# KiCad board AMLDC-2044B p3.kicad_pcb

No outline. copper layers: Top, Bottom. Coordinates in mm from the lowest, leftmost part position.

## Placement (name value [footprint] x y rotation side)
C1  CAP_Disc_Common_-_Entrex_Trapezoid  [Disc Capacitor Common Entrex Trapezoid]  105.97 333.58 90 top
C2  CAP_Disc_Common_-_Entrex_Trapezoid  [Disc Capacitor Common Entrex Trapezoid]  581.99 157.63 0 top
C3  CAP_Disc_Common_-_Entrex_Trapezoid  [Disc Capacitor Common Entrex Trapezoid]  581.99 153.58 0 top
C4  CAP_Disc_Common_-_Entrex_Trapezoid  [Disc Capacitor Common Entrex Trapezoid]  581.99 149.53 0 top
C5  CAP_Disc_Common_-_Entrex_Trapezoid  [Disc Capacitor Common Entrex Trapezoid]  345.97 358.05 180 top
C6  CAP  [CAP non-polarized P25.00mm]  123.88 457.52 0 top
C7  CAP_Disc_Common_-_Entrex_Trapezoid  [Disc Capacitor Common Entrex Trapezoid]  361.12 359.3 180 top
C8  CAP_Disc_Common_-_Entrex_Trapezoid  [Disc Capacitor Common Entrex Trapezoid]  426.64 125.98 180 top
C9  CAP_Disc_Common_-_Entrex_Trapezoid  [Disc Capacitor Common Entrex Trapezoid]  416.69 126.03 180 top
C10  CAP_Disc_Common_-_Entrex_Trapezoid  [Disc Capacitor Common Entrex Trapezoid]  120.61 93.25 0 top
C11  CAP_Disc_Common_-_Entrex_Trapezoid  [Disc Capacitor Common Entrex Trapezoid]  273.01 235.27 0 top
C12  CAP_Disc_Common_-_Entrex_Trapezoid  [Disc Capacitor Common Entrex Trapezoid]  266.37 268.36 0 top
C13  CAP_Disc_Common_-_Entrex_Trapezoid  [Disc Capacitor Common Entrex Trapezoid]  206.02 342.06 0 top
C14  CAP_Disc_Common_-_Entrex_Trapezoid  [Disc Capacitor Common Entrex Trapezoid]  223.27 347.28 90 top
C15  CAP_Disc_Common_-_Entrex_Trapezoid  [Disc Capacitor Common Entrex Trapezoid]  204.32 326.93 0 top
C16  CAP_Disc_Common_-_Entrex_Trapezoid  [Disc Capacitor Common Entrex Trapezoid]  167.47 359.25 0 top
C17  CAP_Disc_Common_-_Entrex_Trapezoid  [Disc Capacitor Common Entrex Trapezoid]  426.59 341.15 180 top
C18  CAP_Disc_Common_-_Entrex_Trapezoid  [Disc Capacitor Common Entrex Trapezoid]  269.1 60.21 180 top
C19  CAP_Disc_Common_-_Entrex_Trapezoid  [Disc Capacitor Common Entrex Trapezoid]  600.82 152.71 0 top
C20  CAP_Disc_Common_-_Entrex_Trapezoid  [Disc Capacitor Common Entrex Trapezoid]  600.82 148.66 0 top
C21  CAP_Disc_Common_-_Entrex_Trapezoid  [Disc Capacitor Common Entrex Trapezoid]  600.82 144.61 0 top
C22  CAP_Disc_Common_-_Entrex_Trapezoid  [Disc Capacitor Common Entrex Trapezoid]  600.82 140.56 0 top
C23  CAP_Disc_Common_-_Entrex_Trapezoid  [Disc Capacitor Common Entrex Trapezoid]  600.82 136.5 0 top
C24  CAP_Disc_Common_-_Entrex_Trapezoid  [Disc Capacitor Common Entrex Trapezoid]  311.04 309.48 180 top
C25  CAP_Disc_Common_-_Entrex_Trapezoid  [Disc Capacitor Common Entrex Trapezoid]  233.82 326.41 0 top
C26  CAP_Disc_Common_-_Entrex_Trapezoid  [Disc Capacitor Common Entrex Trapezoid]  232.67 287.46 0 top
C27  CAP_Disc_Common_-_Entrex_Trapezoid  [Disc Capacitor Common Entrex Trapezoid]  241.9 307.88 0 top
C28  CAP_Disc_Common_-_Entrex_Trapezoid  [Disc Capacitor Common Entrex Trapezoid]  178.22 332.56 0 top
C29  CAP_Disc_Common_-_Entrex_Trapezoid  [Disc Capacitor Common Entrex Trapezoid]  193.62 342.06 0 top
C30  CAP_Disc_Common_-_Entrex_Trapezoid  [Disc Capacitor Common Entrex Trapezoid]  207.97 359.11 0 top
C31  CAP_Disc_Common_-_Entrex_Trapezoid  [Disc Capacitor Common Entrex Trapezoid]  139.77 342.75 0 top
C32  CAP_Disc_Common_-_Entrex_Trapezoid  [Disc Capacitor Common Entrex Trapezoid]  230.18 37.56 180 top
C33  CAP_Disc_Common_-_Entrex_Trapezoid  [Disc Capacitor Common Entrex Trapezoid]  192.54 36.4 180 top
C34  CAP_Disc_Common_-_Entrex_Trapezoid  [Disc Capacitor Common Entrex Trapezoid]  149.7 37.67 180 top
C35  CAP_Disc_Common_-_Entrex_Trapezoid  [Disc Capacitor Common Entrex Trapezoid]  115.93 38.31 180 top
C36  CAP_Disc_Common_-_Entrex_Trapezoid  [Disc Capacitor Common Entrex Trapezoid]  387.47 74.12 180 top
C37  CAP_Disc_Common_-_Entrex_Trapezoid  [Disc Capacitor Common Entrex Trapezoid]  345.49 108.7 180 top
C38  CAP_Disc_Common_-_Entrex_Trapezoid  [Disc Capacitor Common Entrex Trapezoid]  387.62 109.05 180 top
C39  CAP_Disc_Common_-_Entrex_Trapezoid  [Disc Capacitor Common Entrex Trapezoid]  268.67 93.5 180 top
C40  CAP_Disc_Common_-_Entrex_Trapezoid  [Disc Capacitor Common Entrex Trapezoid]  304.99 322.48 180 top
C41  CAP_Disc_Common_-_Entrex_Trapezoid  [Disc Capacitor Common Entrex Trapezoid]  266.62 356.25 0 top
C42  CAP_Disc_Common_-_Entrex_Trapezoid  [Disc Capacitor Common Entrex Trapezoid]  275.02 341.81 0 top
C43  CAP_Disc_Common_-_Entrex_Trapezoid  [Disc Capacitor Common Entrex Trapezoid]  161.87 307.96 0 top
C44  CAP_Disc_Common_-_Entrex_Trapezoid  [Disc Capacitor Common Entrex Trapezoid]  191.07 310.5 0 top
C45  CAP_Disc_Common_-_Entrex_Trapezoid  [Disc Capacitor Common Entrex Trapezoid]  139.57 345.75 0 top
C46  CAP_Disc_Common_-_Entrex_Trapezoid  [Disc Capacitor Common Entrex Trapezoid]  149.17 344.16 0 top
C47  CAP_Disc_Common_-_Entrex_Trapezoid  [Disc Capacitor Common Entrex Trapezoid]  394.29 218.33 180 top
C48  CAP_Disc_Common_-_Entrex_Trapezoid  [Disc Capacitor Common Entrex Trapezoid]  375.15 214.33 270 top
C49  CAP_Disc_Common_-_Entrex_Trapezoid  [Disc Capacitor Common Entrex Trapezoid]  357.84 201.43 180 top
C50  CAP_Disc_Common_-_Entrex_Trapezoid  [Disc Capacitor Common Entrex Trapezoid]  349.34 216.73 180 top
C51  CAP_Disc_Common_-_Entrex_Trapezoid  [Disc Capacitor Common Entrex Trapezoid]  387.64 285.23 180 top
C52  CAP_Disc_Common_-_Entrex_Trapezoid  [Disc Capacitor Common Entrex Trapezoid]  344.49 324.48 180 top
C53  CAP_Disc_Common_-_Entrex_Trapezoid  [Disc Capacitor Common Entrex Trapezoid]  425.39 305.58 180 top
C54  CAP_Disc_Common_-_Entrex_Trapezoid  [Disc Capacitor Common Entrex Trapezoid]  418.24 169.43 180 top
C55  CAP_Disc_Common_-_Entrex_Trapezoid  [Disc Capacitor Common Entrex Trapezoid]  261.22 132.56 0 top
C56  CAP_Disc_Common_-_Entrex_Trapezoid  [Disc Capacitor Common Entrex Trapezoid]  266.03 250.73 0 top
C57  CAP_Disc_Common_-_Entrex_Trapezoid  [Disc Capacitor Common Entrex Trapezoid]  117.87 198.56 0 top
C58  CAP_Disc_Common_-_Entrex_Trapezoid  [Disc Capacitor Common Entrex Trapezoid]  128.37 310.36 0 top
C59  CAP_Disc_Common_-_Entrex_Trapezoid  [Disc Capacitor Common Entrex Trapezoid]  128.42 307.75 0 top
C60  CAP_Disc_Common_-_Entrex_Trapezoid  [Disc Capacitor Common Entrex Trapezoid]  128.42 292.75 0 top
C61  CAP_Disc_Common_-_Entrex_Trapezoid  [Disc Capacitor Common Entrex Trapezoid]  128.42 289.58 0 top
C62  CAP_Disc_Common_-_Entrex_Trapezoid  [Disc Capacitor Common Entrex Trapezoid]  154.27 255.81 0 top
C63  CAP_Disc_Common_-_Entrex_Trapezoid  [Disc Capacitor Common Entrex Trapezoid]  114.26 235.27 0 top
C64  CAP_Disc_Common_-_Entrex_Trapezoid  [Disc Capacitor Common Entrex Trapezoid]  126.82 198.56 0 top
C65  CAP_Disc_Common_-_Entrex_Trapezoid  [Disc Capacitor Common Entrex Trapezoid]  122.73 192.04 315 top
C66  CAP_Disc_Common_-_Entrex_Trapezoid  [Disc Capacitor Common Entrex Trapezoid]  156.22 190.64 135 top
C67  CAP_Disc_Common_-_Entrex_Trapezoid  [Disc Capacitor Common Entrex Trapezoid]  195.99 192.04 315 top
C68  CAP_Disc_Common_-_Entrex_Trapezoid  [Disc Capacitor Common Entrex Trapezoid]  235.58 194.39 135 top
C69  CAP_Disc_Common_-_Entrex_Trapezoid  [Disc Capacitor Common Entrex Trapezoid]  196.87 131.25 0 top
C70  CAP_Disc_Common_-_Entrex_Trapezoid  [Disc Capacitor Common Entrex Trapezoid]  230.12 131.06 0 top
C71  CAP_Disc_Common_-_Entrex_Trapezoid  [Disc Capacitor Common Entrex Trapezoid]  118.82 216.31 0 top
C72  CAP_Disc_Common_-_Entrex_Trapezoid  [Disc Capacitor Common Entrex Trapezoid]  127.97 216.36 0 top
CR1  1N4001  [D_DO-41_SOD81_P12.70mm_Horizontal]  111.83 348.29 0 top
CR2  1N4001  [Diode for Entrex-AMLDC Board]  401.83 235.84 270 top
CR3  1N4001  [Diode for Entrex-AMLDC Board]  181.8 339.79 180 top
CR4  1N4001  [Diode for Entrex-AMLDC Board]  215.43 334.17 90 top
CR5  1N4001  [Diode for Entrex-AMLDC Board]  92.18 340.87 90 top
J1  Port A  [portA_NovaMod]  0 268.56 0 top
J2  Port B  [portB_NovaMod]  3.28 79.71 0 top
JP1  Vipass Ammeter  [DG Nova Board Jumper 5mm]  125.28 256.75 270 top
JP2  Vipass Ammeter  [DG Nova Board Jumper 5mm]  122.78 256.8 270 top
JP3  Vipass Ammeter  [DG Nova Board Jumper 5mm]  120.28 256.75 270 top
JP4  Vipass Ammeter  [DG Nova Board Jumper 5mm]  117.78 256.75 270 top
JP5  Vipass Ammeter  [DG Nova Board Jumper 5mm]  115.28 256.75 270 top
JP6  Vipass Ammeter  [DG Nova Board Jumper 5mm]  112.78 256.8 270 top
JP7  Vipass Ammeter  [DG Nova Board Jumper 3.8mm]  136.94 120.69 0 top
JP8  Vipass Ammeter  [DG Nova Board Jumper 3.8mm]  136.99 118.09 0 top
Q1  PNP MPS6533  [TO-92]  418.83 130.54 135 top
R1  ~  [R_Axial_DIN0411_L9.9mm_D3.6mm_P12.70mm_Horizontal]  256.73 343.04 90 top
R2  ~  [Resistor for Entrex-AMLDC Board#2]  253.98 329.09 90 top
R3  R_US  [Resistor for Entrex-AMLDC Board]  175.86 263.21 90 top
R4  ~  [Resistor for Entrex-AMLDC Board]  96.48 209.62 0 top
R5  R_US  [Resistor for Entrex-AMLDC Board]  172.05 256.23 90 top
R6  R_US  [Resistor for Entrex-AMLDC Board]  142.63 237.64 90 top
R7  R_US  [Resistor for Entrex-AMLDC Board]  130.38 237.69 90 top
R8  R_US  [Resistor for Entrex-AMLDC Board]  142.38 271.99 0 top
R9  R_US  [Resistor for Entrex-AMLDC Board]  148.55 311.47 0 top
R10  R_US  [Resistor for Entrex-AMLDC Board]  129.56 331.74 0 top
R11  R_US  [Resistor for Entrex-AMLDC Board]  148.33 326.69 0 top
R12  R_US  [Resistor for Entrex-AMLDC Board]  171.83 324.69 0 top
R13  R_US  [Resistor for Entrex-AMLDC Board]  185.96 326.64 0 top
R14  R_US  [Resistor for Entrex-AMLDC Board]  169.63 313.99 0 top
R15  R_US  [Resistor for Entrex-AMLDC Board]  91.48 190.54 90 top
R16  R_US  [Resistor for Entrex-AMLDC Board]  93.93 186.79 90 top
R17  R_US  [Resistor for Entrex-AMLDC Board]  91.38 207.29 90 top
R18  R_US  [Resistor for Entrex-AMLDC Board]  100.13 344.37 90 top
R19  R_US  [Resistor for Entrex-AMLDC Board]  111.03 352.39 0 top
R20  R_US  [Resistor for Entrex-AMLDC Board]  416.6 141.64 0 top
R21  R_US  [Resistor for Entrex-AMLDC Board]  412.95 137.59 0 top
R22  R_US  [Resistor for Entrex-AMLDC Board]  434.08 108.54 90 top
R23  R_US  [Resistor for Entrex-AMLDC Board]  426.88 118.39 180 top
R24  R_US  [Resistor for Entrex-AMLDC Board]  412.83 114.89 0 top
R25  R_US  [Resistor for Entrex-AMLDC Board]  414.06 122.44 0 top
R26  R_US  [Resistor for Entrex-AMLDC Board]  596.78 116.74 0 top
R27  R_US  [Resistor for Entrex-AMLDC Board]  224.18 325.47 90 top
R28  R_US  [Resistor for Entrex-AMLDC Board]  98.65 15.08 180 top
R29  R_US  [Resistor for Entrex-AMLDC Board]  220.53 344.39 90 top
R30  R_US  [Resistor for Entrex-AMLDC Board]  217.83 344.74 90 top
R31  R_US  [Resistor for Entrex-AMLDC Board]  282.18 255.39 0 top
R32  R_US  [Resistor for Entrex-AMLDC Board]  104.74 283.53 90 top
R33  R_US  [Resistor for Entrex-AMLDC Board]  123.98 289.69 180 top
R34  R_US  [Resistor for Entrex-AMLDC Board]  86.23 198.19 90 top
R35  R_US  [Resistor for Entrex-AMLDC Board]  88.73 194.22 90 top
R36  R_US  [Resistor for Entrex-AMLDC Board]  88.78 210.99 90 top
R37  R_US  [Resistor for Entrex-AMLDC Board]  104.78 344.54 90 top
R38  R_US  [Resistor for Entrex-AMLDC Board]  129.68 348.59 0 top
R39  R_US  [Resistor for Entrex-AMLDC Board]  405.83 256.49 90 top
R40  R_US  [Resistor for Entrex-AMLDC Board]  379.33 201.29 180 top
R41  R_US  [Resistor for Entrex-AMLDC Board]  338.28 217.19 90 top
R42  R_US  [Resistor for Entrex-AMLDC Board]  402.68 197.41 90 top
R43  R_US  [Resistor for Entrex-AMLDC Board]  401.8 204.99 90 top
R44  R_US  [Resistor for Entrex-AMLDC Board]  293.73 309.29 90 top
R45  R_US  [Resistor for Entrex-AMLDC Board]  321.18 309.89 90 top
R46  R_US  [Resistor for Entrex-AMLDC Board]  620.82 116.81 0 top
R47  R_US  [Resistor for Entrex-AMLDC Board]  257.14 236.54 90 top
R48  R_US  [Resistor for Entrex-AMLDC Board]  249.52 241.62 90 top
R49  R_US  [Resistor for Entrex-AMLDC Board]  111.18 344.39 0 top
R50  R_US  [Resistor for Entrex-AMLDC Board]  183.58 328.22 90 top
R51  R_US  [Resistor for Entrex-AMLDC Board]  124.23 307.64 180 top
R53  R_US  [Resistor for Entrex-AMLDC Board]  123.98 292.87 180 top
R54  R_US  [Resistor for Entrex-AMLDC Board]  105.41 250.47 90 top
R55  R_US  [Resistor for Entrex-AMLDC Board]  105.48 223.62 90 top
R56  R_US  [Resistor for Entrex-AMLDC Board]  85.93 214.99 90 top
R57  R_US  [Resistor for Entrex-AMLDC Board]  96.41 202.39 0 top
R58  R_US  [Resistor for Entrex-AMLDC Board]  169.41 346.74 0 top
R59  R_US  [Resistor for Entrex-AMLDC Board]  209.39 55.72 0 top
R60  R_US  [Resistor for Entrex-AMLDC Board]  209.27 53.01 0 top
R61  R_US  [Resistor for Entrex-AMLDC Board]  209.26 50.4 0 top
R62  R_US  [Resistor for Entrex-AMLDC Board]  209.3 45.1 0 top
R63  R_US  [Resistor for Entrex-AMLDC Board]  209.28 40.03 0 top
R64  R_US  [Resistor for Entrex-AMLDC Board]  209.24 37.41 0 top
R65  R_US  [Resistor for Entrex-AMLDC Board]  209.29 42.56 0 top
R66  R_US  [Resistor for Entrex-AMLDC Board]  209.33 47.73 0 top
R67  R_US  [Resistor for Entrex-AMLDC Board]  278.78 235.09 0 top
R68  R_US  [Resistor for Entrex-AMLDC Board]  256.23 254.42 90 top
R69  R_US  [Resistor for Entrex-AMLDC Board]  405.03 237.14 90 top
R70  R_US  [Resistor for Entrex-AMLDC Board]  191 344.24 0 top
R71  R_US  [Resistor for Entrex-AMLDC Board]  124.1 310.49 180 top
R72  R_US  [Resistor for Entrex-AMLDC Board]  143.38 316.74 180 top
R73  R_US  [Resistor for Entrex-AMLDC Board]  102.73 265.59 90 top
R74  R_US  [Resistor for Entrex-AMLDC Board]  105.41 264.44 90 top
R75  R_US  [Resistor for Entrex-AMLDC Board]  96.53 213.68 0 top
R76  R_US  [Resistor for Entrex-AMLDC Board]  96.48 206.06 0 top
R77  R_US  [Resistor for Entrex-AMLDC Board]  148.88 359.09 0 top
R78  R_US  [Resistor for Entrex-AMLDC Board]  141.69 0 90 top
R79  R_US  [Resistor for Entrex-AMLDC Board]  374.58 336.47 90 top
R80  R_US  [Resistor for Entrex-AMLDC Board]  356.06 356.92 0 top
R81  R_US  [Resistor for Entrex-AMLDC Board]  334.48 355.59 0 top
R82  R_US  [Resistor for Entrex-AMLDC Board]  222.51 14.75 90 top
R83  R_US  [Resistor for Entrex-AMLDC Board]  561.99 136.21 0 top
R84  R_US  [Resistor for Entrex-AMLDC Board]  561.99 131.25 0 top
R85  R_US  [Resistor for Entrex-AMLDC Board]  172.33 120.89 0 top
R86  R_US  [Resistor for Entrex-AMLDC Board]  84.79 11.27 0 top
R87  R_US  [Resistor for Entrex-AMLDC Board]  284.03 341.92 90 top
R88  R_US  [Resistor for Entrex-AMLDC Board]  255.87 319.73 90 top
R89  R_US  [Resistor for Entrex-AMLDC Board]  250.79 293.69 90 top
R90  R_US  [Resistor for Entrex-AMLDC Board]  188.56 290.51 0 top
R91  R_US  [Resistor for Entrex-AMLDC Board]  189.98 359.09 0 top
R92  R_US  [Resistor for Entrex-AMLDC Board]  94.03 203.42 90 top
R93  R_US  [Resistor for Entrex-AMLDC Board]  107.28 283.53 90 top
R94  R_US  [Resistor for Entrex-AMLDC Board]  129.68 339.34 0 top
UB1  74LS37  [DIP-14_W7.62mm]  147.78 348.31 90 top
UB2  74LS10  [DIP-14_W7.62mm]  188.53 348.41 90 top
UB3  DM958  [DIP-14_W7.62mm]  228.84 346.22 90 top
UB4  74LS123  [DIP-16_W7.62mm]  261.34 345.62 90 top
UB5  74LS02  [DIP-14_W7.62mm]  298.98 345.17 90 top
UB6  74LS38  [DIP-14_W7.62mm]  343.53 345.17 90 top
UB7  74LS32  [DIP-14_W7.62mm]  380.48 344.92 90 top
UB8  74LS93  [DIP-14_W7.62mm]  416.76 344.81 90 top
UC0  74LS04  [DIP-14_W7.62mm]  109.94 331.7 90 top
UC1  74LS00  [DIP-14_W7.62mm]  147.89 331.64 90 top
UC2  74LS123  [DIP-16_W7.62mm]  188.44 330.38 90 top
UC3  74LS74  [DIP-14_W7.62mm]  228.82 331.79 90 top
UC4  74LS00  [DIP-14_W7.62mm]  261.53 329.01 90 top
UC5  74LS02  [DIP-14_W7.62mm]  298.78 328.57 90 top
UC6  74LS74  [DIP-14_W7.62mm]  343.33 328.52 90 top
UC7  74LS74  [DIP-14_W7.62mm]  380.38 328.52 90 top
UC8  74LS00  [DIP-14_W7.62mm]  416.18 328.62 90 top
UD0  74LS10  [DIP-14_W7.62mm]  109.84 315.18 90 top
UD1  74LS10  [DIP-14_W7.62mm]  147.84 315.19 90 top
UD2  74LS10  [DIP-14_W7.62mm]  188.53 313.97 90 top
UD3  74LS123  [DIP-16_W7.62mm]  228.68 315.09 90 top
UD4  74LS74  [DIP-14_W7.62mm]  261.63 312.59 90 top
UD5  74LS123  [DIP-16_W7.62mm]  298.66 312.34 90 top
UD6  74LS10  [DIP-14_W7.62mm]  343.28 312.27 90 top
UD7  74LS74  [DIP-14_W7.62mm]  380.18 312.17 90 top
UD8  74LS74  [DIP-14_W7.62mm]  416.63 311.97 90 top
UE0  74LS10  [DIP-14_W7.62mm]  109.94 295.99 90 top
UE1  74LS74  [DIP-14_W7.62mm]  148.04 296.09 90 top
UE2  74LS74  [DIP-14_W7.62mm]  188.32 296.19 90 top
UE3  74LS74  [DIP-14_W7.62mm]  228.91 296.04 90 top
UE4  74LS02  [DIP-14_W7.62mm]  261.68 293.49 90 top
UE5  74LS08  [DIP-14_W7.62mm]  298.63 293.42 90 top
UE6  74LS00  [DIP-14_W7.62mm]  343.28 293.17 90 top
UE7  7425  [DIP-14_W7.62mm]  380.08 293.12 90 top
UE8  74LS08  [DIP-14_W7.62mm]  416.78 292.92 90 top
UF0  74LS04  [DIP-14_W7.62mm]  110.04 276.99 90 top
UF1  74LS14  [DIP-14_W7.62mm]  147.84 276.94 90 top
UF2  74LS06  [DIP-14_W7.62mm]  188.58 277.08 90 top
UF3  9328  [DIP-16_W7.62mm]  228.96 277.07 90 top
UF4  74LS74  [DIP-14_W7.62mm]  261.73 274.4 90 top
UF5  74LS74  [DIP-14_W7.62mm]  298.83 274.17 90 top
UF6  74LS00  [DIP-14_W7.62mm]  343.28 274.07 90 top
UF7  74LS74  [DIP-14_W7.62mm]  380.08 273.84 90 top
UF8  74LS20  [DIP-14_W7.62mm]  416.33 273.67 90 top
UG0  74LS30  [DIP-14_W7.62mm]  110.04 260.43 90 top
UG1  74LS38  [DIP-14_W7.62mm]  148.09 260.38 90 top
UG2  74LS02  [DIP-14_W7.62mm]  188.53 260.57 90 top
UG3  74LS86  [DIP-14_W7.62mm]  228.81 260.38 90 top
UG4  74LS123  [DIP-16_W7.62mm]  261.53 257.93 90 top
UG5  74LS74  [DIP-14_W7.62mm]  298.83 257.49 90 top
UG6  74LS32  [DIP-14_W7.62mm]  343.19 257.49 90 top
UG7  74LS00  [DIP-14_W7.62mm]  379.98 257.24 90 top
UG8  74LS02  [DIP-14_W7.62mm]  416.23 257.12 90 top
UH0  74LS04  [DIP-14_W7.62mm]  109.99 242.33 90 top
UH1  74LS00  [DIP-14_W7.62mm]  148.09 242.65 90 top
UH2  74LS00  [DIP-14_W7.62mm]  188.58 242.53 90 top
UH3  74LS00  [DIP-14_W7.62mm]  229.01 242.49 90 top
UH4  74LS123  [DIP-16_W7.62mm]  261.53 239.99 90 top
UH5  74LS74  [DIP-14_W7.62mm]  298.78 239.87 90 top
UH6  74LS00  [DIP-14_W7.62mm]  343.18 239.79 90 top
UH7  74LS74  [DIP-14_W7.62mm]  379.91 239.76 90 top
UJ0  74LS38  [DIP-14_W7.62mm]  109.94 223.55 90 top
UJ1  74LS74  [DIP-14_W7.62mm]  148.09 223.39 90 top
UJ2  74LS74  [DIP-14_W7.62mm]  188.58 223.49 90 top
UJ3  74LS10  [DIP-14_W7.62mm]  229.12 223.42 90 top
UJ6  74LS10  [DIP-14_W7.62mm]  343.18 223.17 90 top
UJ7  74LS123  [DIP-16_W7.62mm]  379.78 223.09 90 top
UK0  74LS08  [DIP-14_W7.62mm]  115.12 204.29 90 top
UK1  74LS74  [DIP-14_W7.62mm]  148.09 207.04 90 top
UK2  74LS00  [DIP-14_W7.62mm]  188.63 206.77 90 top
UK5  74LS07  [DIP-14_W7.62mm]  298.48 191.29 90 top
UK6  74LS123  [DIP-16_W7.62mm]  343.13 206.64 90 top
UK7  74LS00  [DIP-14_W7.62mm]  379.68 206.24 90 top
UK8  74LS02  [DIP-14_W7.62mm]  416.08 206.34 90 top
UL0  74LS38  [DIP-14_W7.62mm]  115.33 173.8 90 top
UL1  74LS197  [DIP-14_W7.62mm]  148.19 173.71 90 top
UL2  74LS37  [DIP-14_W7.62mm]  188.48 173.8 90 top
UL3  74LS38  [DIP-14_W7.62mm]  228.91 173.81 90 top
UL4  74LS197  [DIP-14_W7.62mm]  261.37 181.33 90 top
UL5  9321  [DIP-16_W7.62mm]  298.6 173.92 90 top
UL6  74LS32  [DIP-14_W7.62mm]  342.98 173.47 90 top
UL7  74LS74  [DIP-14_W7.62mm]  379.38 173.42 90 top
UM0  74LS38  [DIP-14_W7.62mm]  115.22 157.2 90 top
UM1  74LS197  [DIP-14_W7.62mm]  148.19 157.4 90 top
UM2  74LS165  [DIP-16_W7.62mm]  188.5 157.15 90 top
UM3  74LS38  [DIP-14_W7.62mm]  228.82 157.24 90 top
UM4  74LS197  [DIP-14_W7.62mm]  261.07 157.24 90 top
UM5  74LS00  [DIP-14_W7.62mm]  298.53 157.22 90 top
UM6  74LS02  [DIP-14_W7.62mm]  342.98 156.92 90 top
UM7  74LS74  [DIP-14_W7.62mm]  379.33 156.79 90 top
UM8  74LS76  [DIP-16_W7.62mm]  415.04 156.98 90 top
UN0  74LS04  [DIP-14_W7.62mm]  110.3 140.73 90 top
UN1  74LS75  [DIP-16_W7.62mm]  148.16 140.69 90 top
UN2  74LS75  [DIP-16_W7.62mm]  188.75 140.72 90 top
UN3  74LS04  [DIP-14_W7.62mm]  228.86 140.59 90 top
UN4  74LS75  [DIP-16_W7.62mm]  261.29 140.54 90 top
UN5  74LS165  [DIP-16_W7.62mm]  298.78 140.52 90 top
UN6  74LS02  [DIP-14_W7.62mm]  342.93 140.47 90 top
UN7  74LS20  [DIP-14_W7.62mm]  379.33 140.32 90 top
UP0  74LS38  [DIP-14_W7.62mm]  110.4 115.33 90 top
UP1  74LS38  [DIP-14_W7.62mm]  148.24 115.24 90 top
UP2  74LS06  [DIP-14_W7.62mm]  191.12 115.24 90 top
UP3  74LS38  [DIP-14_W7.62mm]  228.92 115.34 90 top
UP4  8266  [DIP-16_W7.62mm]  261.18 115.18 90 top
UP5  7425  [DIP-14_W7.62mm]  298.73 115.27 90 top
UP6  74LS74  [DIP-14_W7.62mm]  342.88 114.94 90 top
UP7  74LS93  [DIP-14_W7.62mm]  379.23 114.84 90 top
UR0  74LS38  [DIP-14_W7.62mm]  110.55 97.46 90 top
UR1  74LS75  [DIP-16_W7.62mm]  148.2 97.45 90 top
UR2  74LS75  [DIP-16_W7.62mm]  188.55 97.56 90 top
UR3  74LS38  [DIP-14_W7.62mm]  228.92 97.4 90 top
UR4  74LS75  [DIP-16_W7.62mm]  261.14 97.31 90 top
UR5  74164  [DIP-14_W7.62mm]  298.43 97.32 90 top
UR6  74LS74  [DIP-14_W7.62mm]  342.93 95.89 90 top
UR7  74LS93  [DIP-14_W7.62mm]  379.23 95.84 90 top
US0  74LS38  [DIP-14_W7.62mm]  110.55 80.79 90 top
US1  74LS75  [DIP-16_W7.62mm]  148.16 80.95 90 top
US2  74164  [DIP-14_W7.62mm]  188.43 80.94 90 top
US3  74LS38  [DIP-14_W7.62mm]  228.66 80.69 90 top
US4  74LS75  [DIP-16_W7.62mm]  261.28 80.74 90 top
US6  74LS74  [DIP-14_W7.62mm]  342.88 80.67 90 top
US7  74LS93  [DIP-14_W7.62mm]  379.03 80.52 90 top
UT0  74LS38  [DIP-14_W7.62mm]  110.5 62.17 90 top
UT1  74LS38  [DIP-14_W7.62mm]  148.47 61.84 90 top
UT2  7425  [DIP-14_W7.62mm]  188.84 61.74 90 top
UT3  74LS38  [DIP-14_W7.62mm]  229.14 61.55 90 top
UT6  74LS74  [DIP-14_W7.62mm]  342.73 60.9 90 top
UT7  74LS93  [DIP-14_W7.62mm]  379.56 60.77 90 top
UU0  74LS38  [DIP-14_W7.62mm]  110.38 43.01 90 top
UU1  74LS197  [DIP-14_W7.62mm]  148.34 42.83 90 top
UU2  74LS86  [DIP-14_W7.62mm]  188.81 42.58 90 top
UU3  74LS38  [DIP-14_W7.62mm]  229.22 42.46 90 top
UU4  74LS197  [DIP-14_W7.62mm]  261.71 42.36 90 top
UV0  74LS38  [DIP-14_W7.62mm]  110.25 18.8 90 top
UV1  74LS197  [DIP-14_W7.62mm]  148.17 18.74 90 top
UV2  74LS04  [DIP-14_W7.62mm]  188.68 18.74 90 top
UV3  74LS38  [DIP-14_W7.62mm]  229.2 18.16 90 top
UV4  74179 / or / 8271  [DIP-14_W7.62mm]  261.58 18.1 90 top
UV5  74LS175  [DIP-16_W7.62mm]  499.58 5.27 90 top
UV6  74LS74  [DIP-14_W7.62mm]  502.75 24.45 90 top
UV7  74LS00  [DIP-14_W7.62mm]  502.75 35.3 90 top
UW0  74LS04  [DIP-14_W7.62mm]  109.94 0.96 90 top
UW1  74LS75  [DIP-16_W7.62mm]  148.17 0.7 90 top
UW2  74LS75  [DIP-16_W7.62mm]  188.81 0.7 90 top
UW3  74LS04  [DIP-14_W7.62mm]  229.32 0.38 90 top
UW4  74LS75  [DIP-16_W7.62mm]  261.71 0.12 90 top
UW5  74LS175  [DIP-16_W7.62mm]  298.16 0.19 90 top
UW6  74LS06N  [DIP-14_W7.62mm]  342.73 0.07 90 top
Y1  Crystal  [Crystal_HC49-U_Horizontal_1EP_style1]  421.69 100.88 0 top

## Library data of the parts
C1-C5 C7-C72 = -: Description: Capacitor Common Entrex Trapezoid
C6 = -: Description: Capacitor Large Polarized for Entrex Trapezoid
CR1 = -: Description: 50V 1A General Purpose Rectifier Diode, DO-41; Sim.Device: D; Sim.Pins: 1=K 2=A
CR2 CR3 = -: Description: 50V 1A General Purpose Rectifier Diode, DO-41; Sim.Device: D; Sim.Pins: 1=K 2=A; Field6: K; Field8: K
CR4 CR5 = -: Description: 50V 1A General Purpose Rectifier Diode, DO-41; Sim.Device: D; Sim.Pins: 1=K 2=A; Field6: K; Field7: K
JP1-JP8 = -: Description: Jumper, 2-pole, open
Q1 = -: Description: Bipolar transistor symbol for simulation only, substrate tied to the emitter; Sim.Device: PNP; Sim.Pins: 1=C 2=B 3=E; Sim.Type: GUMMELPOON
R1-R51 R53-R94 = -: Description: Resistor, US symbol
UB1 UL2 = -: Description: quad 2-input NAND buffer
UB2 UD0-UD2 UD6 UE0 UJ3 UJ6 = -: Description: Triple 3-input NAND
UB3 UC1 UC4 UC8 UE6 UF6 UG7 UH1-UH3 UH6 UK2 UK7 UM5 UV7 = -: Description: quad 2-input NAND gate
UB4 UC2 UD3 UD5 UG4 UH4 UJ7 UK6 = -: Description: Dual retriggerable Monostable
UB5 UC5 UE4 UG2 UG8 UK8 UM6 UN6 = -: Description: quad 2-input NOR gate
UB6 UG1 UJ0 UL0 UL3 UM0 UM3 UP0 UP1 UP3 UR0 UR3 US0 US3 UT0 UT1 UT3 UU0 UU3 UV0 UV3 = -: Description: Quad Buffer 2-input NAND Open collector
UB7 UG6 UL6 = -: Description: Quad 2-input OR
UB8 UP7 UR7 US7 UT7 = -: Description: Divide by 2 & 8 counter
UC0 UF0 UH0 UN0 UN3 UV2 UW0 UW3 = -: Description: Hex Inverter
UC3 UC6 UC7 UD4 UD7 UD8 UE1-UE3 UF4 UF5 UF7 UG5 UH5 UH7 UJ1 UJ2 UK1 UL7 UM7 UP6 UR6 US6 UT6 UV6 = -: Description: Dual D Flip-flop, Set & Reset
UE5 UE8 UK0 = -: Description: Quad And2
UE7 UP5 UT2 = -: Description: Dual 4-input NOR gates
UF1 = -: Description: Hex inverter schmitt trigger
UF2 UP2 UW6 = -: Description: Inverter Open Collect
UF3 = -: Description: Dual 8-Bit Shift Register
UF8 UN7 = -: Description: Dual 4-input NAND
UG0 = -: Description: 8-input NAND
UG3 UU2 = -: Description: Quad 2-input XOR
UK5 = -: Description: Hex Buffers and Drivers With Open Collector High Voltage Outputs
UL1 UL4 UM1 UM4 UU1 UU4 UV1 = -: Description: 4 (3+1)-bit presettable binary counter
UL5 = -: Description: Dual 1-of-4 Decoder
UM2 UN5 = -: Description: Shift Register 8-bit, parallel load
UM8 = -: Description: Dual JK Flip-flop, Set & Reset
UN1 UN2 UN4 UR1 UR2 UR4 US1 US4 UW1 UW2 UW4 = -: Description: 4-bit Latch
UP4 = -: Description: 2-INPUT, 4-BIT DIGITAL MULTIPLEXER
UV5 UW5 = -: Description: 4-bit D Flip-Flop, reset
Y1 = -: Description: Two pin crystal